# Allegro board MB1209_REVD_160617_FAB4.brd (continued)
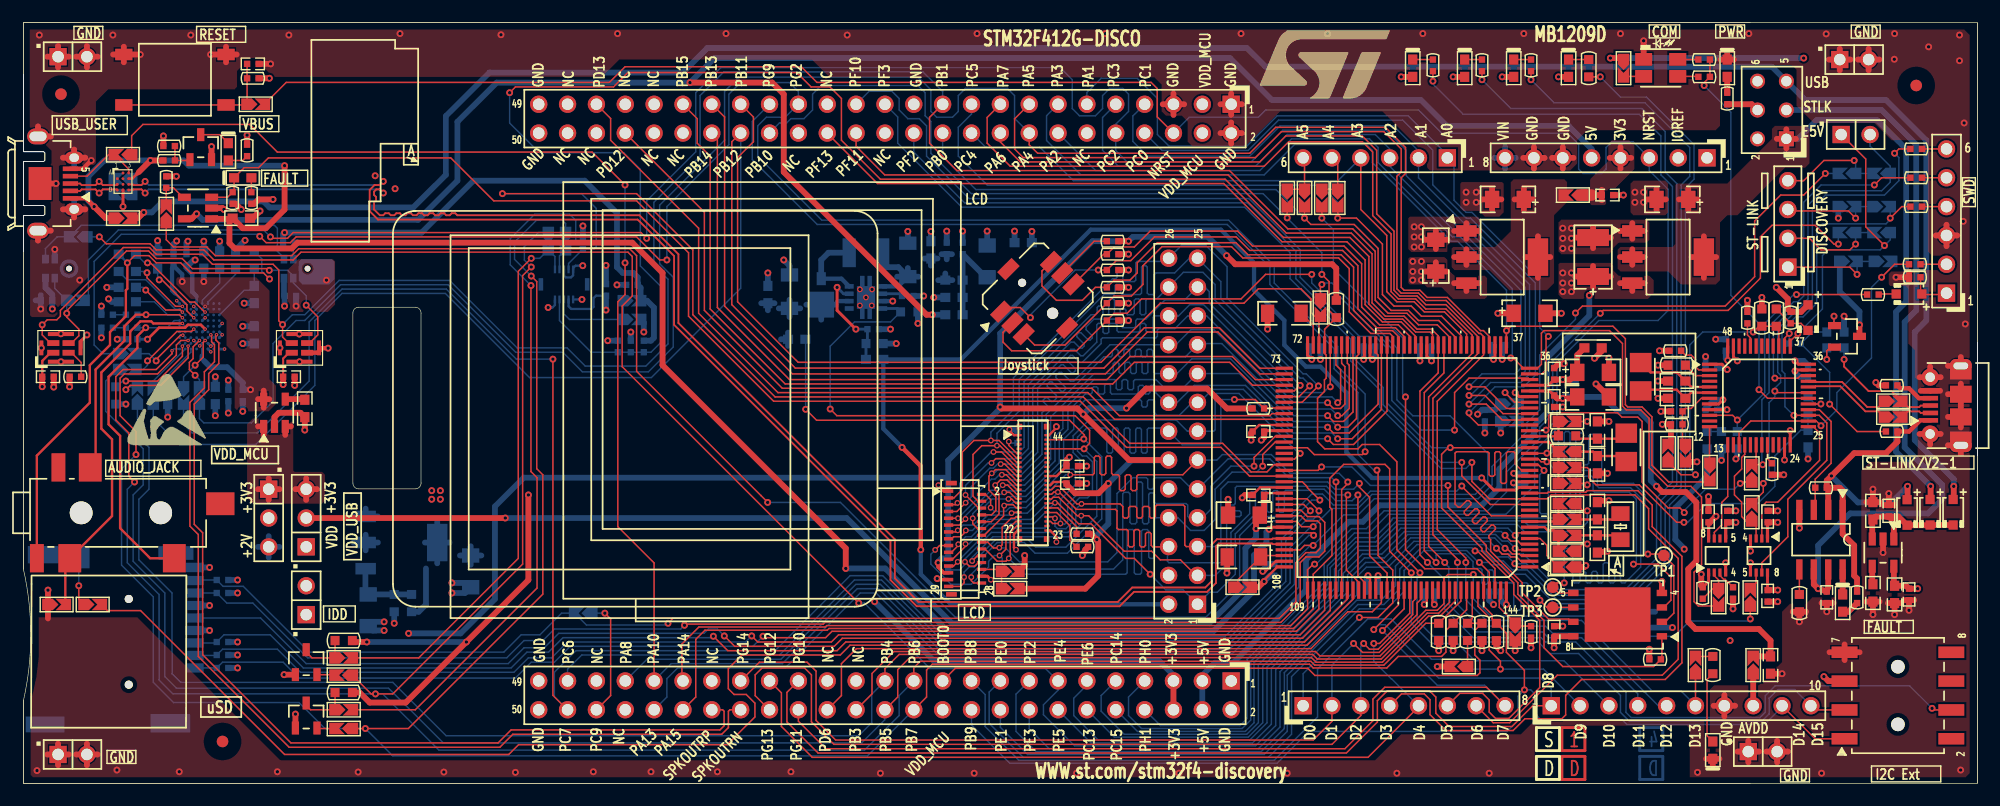
[diagram p0: board, top side]
## Routing (per net, layer and track width the routed paths; a pad name or vN(x,y) marks a point on that pad's centre or on a via; arc(x,y) is an arc through that point) (continued)
NETB1_1: length 14.4
  TOP w0.127: B1.1 B1.4 19.62,59.75 SB1.2 19.68,63.37
NETB2_5: length 5.1
  TOP w0.127: B2.5 94.26,47.75 95.38,47.75
NETC3_1: length 12.9
  TOP w0.508: 125.94,46.35 U2.2 ; U2.2 128.1,46.35 ; U2.2 127.02,45.67 ; U2.2 127.02,47.04 ; 133.33,44.53 U2.4 ; U2.4 133.33,48.18 ; U2.4 132.25,46.35 ; U2.4 134.41,46.35 ; 132.08,50.49 C3.1 ; C3.1 132.89,51.44 ; C3.1 132.08,52.38 ; C3.1 131.27,51.44
NETC8_1: length 3.2
  TOP w0.127: C8.1 113.54,40.33 U7.71
NETC19_1: length 4.8
  TOP w0.203: R45.2 136.91,30.35 C19.1 140.61,30.35 X2.1
NETC21_1: length 4.8
  TOP w0.203: R46.2 138.18,29.21 C21.1 140.61,28.83 X2.2
NETC23_1: length 4.2
  TOP w0.203: R54.1 C23.1 140.07,23.24 X3.1
NETC24_2: length 11.4
  TOP w0.508: C25.2 165.06,23.5 D4.2 165.82,22.73 167.83,22.73 D5.2 D6.2 ; C25.2 164.65,23.05 U9.1 ; C25.2 163.07,23.5 C24.2 162.75,23.18 U9.3
NETC30_1: length 4.1
  TOP w0.203: X3.2 140.2,21.84 C30.1 R56.1
NETC31_1: length 5.8
  TOP w0.127: SB27.2 106.91,17.63 106.91,17.93 C31.1 109.04,20.06 U7.106
NETC33_2: length 1.7
  TOP w0.508: C33.2 24.71,33.84 U18.4
NETC39_1: length 8.6
  TOP w0.127: v3(15.99,41.51) 15.95,41.51 15.06,42.39 14.63,42.39 11.18,45.85 v1(10.92,45.85)
  BOTTOM w0.127: C39.1 10.67,45.85 v1(10.92,45.85) ; v3(15.99,41.51) 15.74,41.26 U15.D7
NETC39_2: length 47
  TOP w0.127: v1(9.14,45.85) 9.78,46.48 11.05,46.48 11.68,45.85 13.84,45.85 14.73,44.96 21.13,44.96 v1(21.67,44.42)
  TOP w0.203: CN9.2 1.18,28.87 5.84,33.53 5.84,36.83 7.62,38.61 7.62,39.75 9.02,41.15 9.02,43.43 9.14,43.56 v1(9.14,45.85)
  BOTTOM w0.127: v1(21.67,44.42) 20.98,45.11 20.98,46.2 R78.2
  BOTTOM w0.203: v1(9.14,45.85) C39.2
NETC40_2: length 4.1
  BOTTOM w0.127: U15.C9 16.24,42.41 18.67,44.83 C40.2
NETC41_1: length 3.7
  BOTTOM w0.127: U15.D9 15.74,42.54 17.27,44.07 C41.1
NETC45_1: length 6.1
  TOP w0.127: v3(14.99,41.01) 14.39,41.62 14.39,42.15 12.19,44.35 v1(11.95,44.35)
  BOTTOM w0.127: v1(11.95,44.35) 11.81,44.49 C45.1 ; U15.E6 v3(14.99,41.01)
NETC46_1: length 6.7
  BOTTOM w0.127: U15.H8 13.36,41.76 10.77,44.36 9.11,44.36 C46.1
NETC46_2: length 6
  TOP w0.127: v3(13.99,42.01) 13.99,42.02 13.39,42.02 10.88,44.52 v1(10.88,44.98)
  BOTTOM w0.089: U15.G8 14,42.01 v3(13.99,42.01)
  BOTTOM w0.127: v1(10.88,44.98) 10.77,45.09 C46.2
NETC47_1: length 5.3
  TOP w0.127: v3(13.99,41.51) 13.81,41.69 12.52,41.69 v1(10.77,43.45)
  BOTTOM w0.089: U15.G7 14.24,41.26 14,41.51 v3(13.99,41.51)
  BOTTOM w0.127: v1(10.77,43.45) 10.52,43.69 C47.1
NETC48_2: length 5.7
  BOTTOM w0.127: U15.A7 17.26,41.26 19.43,43.43 19.93,43.43 C48.2 R78.1
NETC51_1: length 4.3
  BOTTOM w0.127: U15.H7 12.69,41.26 11.53,42.42 C51.1
NETC52_1: length 20.4
  TOP w0.127: v3(13.99,41.01) 13.73,41.27 v1(10.79,41.27)
  TOP w0.203: CN9.4 5.89,27.83 6.35,28.28 6.35,36.45 8.89,38.99 8.89,40.26 9.91,41.27 v1(10.79,41.27)
  BOTTOM w0.127: U15.G6 v3(13.99,41.01) ; 10.03,41.27 v1(10.79,41.27)
NETC52_2: length 1.1
  BOTTOM w0.127: C52.2 R79.1
NETC53_1: length 29.3
  TOP w0.203: v1(10.77,40.13) 10.03,39.4 10.03,38.35 7.49,35.81 7.49,31.62 8.51,30.61 8.51,22.47 11.15,19.83 CN9.6
  BOTTOM w0.127: 10.03,40.13 v1(10.77,40.13) 12.65,40.13 13.28,40.76 U15.H6
NETC53_2: length 1.1
  BOTTOM w0.127: C53.2 R80.1
NETC66_1: length 4.2
  BOTTOM w0.127: C66.1 12.7,35.94 14.74,37.98 U15.F1
NETC69_1: length 29.2
  TOP w0.127: v1(146.18,22.99) 145.54,22.99 142.24,26.29 138.43,26.29 137.79,26.92 137.79,27.69 137.67,27.81 SB20.1
  BOTTOM w0.127: R53.1 C69.1 156.46,31.11 154.18,28.83 154.18,26.16 152.65,24.64 148.16,24.64 146.51,22.99 v1(146.18,22.99)
NETC77_1: length 12
  BOTTOM w0.381: U17.6 71.68,42.47 71.63,42.42
  BOTTOM w0.508: 68.92,42.16 Z1.2 ; Z1.2 70.23,40.84 ; Z1.2 71.54,42.16 ; 66.69,39.12 L2.1 ; L2.1 67.31,38.53 ; L2.1 67.31,39.7 ; C77.1 67.44,42.6 ; C77.1 66.5,41.83 ; C77.1 67.44,41.07 ; C77.1 68.38,41.83 ; 64.95,42.29 C79.2 ; C79.2 66.12,42.29 ; C79.2 65.53,41.67
NETC82_1: length 8.3
  BOTTOM w0.508: L4.2 L8.2 L3.1 C83.1 84.71,44.58 C82.1
NETC84_1: length 6.2
  BOTTOM w0.508: R90.2 R92.1 C84.1 30.1,16.89 30.1,18.88 U16.1
NETC86_2: length 1.6
  TOP w0.508: C86.2 162.75,17.59 U9.4
NETCN1_5: length 4.4
  TOP w0.127: SB7.2 SB8.2 115.7,54.58 CN1.5
NETCN1_6: length 4.3
  TOP w0.127: SB5.2 SB6.2 112.78,54.97 CN1.6
NETCN3_4: length 6.8
  TOP w0.127: D1.A3 9.26,54.11 R13.1 7.49,55.37 5.6,53.48 CN3.4
NETCN4_1: length 3.8
  TOP w0.127: CN4.1 169.16,43.05 167.16,43.05 D2.1 167,43.21 167,44.58
NETCN4_2: length 2.3
  TOP w0.127: CN4.2 167,45.72
NETCN4_4: length 2.2
  TOP w0.127: R19.1 CN4.4
NETCN4_5: length 2.2
  TOP w0.127: R15.1 CN4.5
NETCN4_6: length 2.2
  TOP w0.127: R11.1 CN4.6
NETCN5_1: length 9
  TOP w0.127: CN5.1 160.78,45.47 v1(161.42,44.83)
  BOTTOM w0.127: v1(161.42,44.83) SB13.1 SB14.2
NETCN5_2: length 9.1
  TOP w0.127: CN5.2 157.23,48.01 158.24,46.99 160.78,46.99 v1(161.29,47.5)
  BOTTOM w0.127: v1(161.29,47.5) SB11.2 SB12.1
NETCN5_3: length 8.7
  TOP w0.127: CN5.3 155.45,50.42 160.66,50.42 v1(161.29,49.78)
  BOTTOM w0.127: SB10.2 161.42,50.8 ; v1(161.29,49.78) SB9.1
NETCN5_4: length 9.3
  TOP w0.127: v1(161.16,54.86) 158.5,54.86 156.72,53.09 CN5.4
  BOTTOM w0.127: SB3.1 SB2.2 161.29,54.74 v1(161.16,54.86)
NETCN6_2: length 2.8
  TOP w0.155: R40.1 165.85,32.76 166.89,32.76 167.02,32.62 CN6.2
NETCN6_3: length 10.8
  TOP w0.155: CN6.3 167.02,33.27 166.89,33.14 165.87,33.14 R39.1 164.47,34.54 162.43,34.54 160.27,36.7 v1(160.27,37.34)
  BOTTOM w0.155: v1(160.27,37.34) R85.1
NETCN6_4: length 3.4
  TOP w0.381: CN6.4 166.86,33.92 165.99,34.8 165.23,34.8 R89.1
NETCN9_3: length 32.6
  TOP w0.203: v3(13.99,40.51) 11.43,40.51 11.25,40.69 10.29,40.69 9.4,39.8 9.4,38.73 6.86,36.2 6.86,31.24 7.8,30.3 7.8,23.54 CN9.3 3.68,19.43 R63.1
  BOTTOM w0.127: U15.G5 v3(13.99,40.51)
NETCN12_8: length 2.8
  TOP w0.508: CN12.8 R74.2
NETCN13_10: length 4.4
  TOP w0.127: v1(4.87,17.4) 4.87,16.21 R64.2
  BOTTOM w0.127: CN13.10 v1(4.87,17.4)
NETCN14_8: length 8.3
  BOTTOM w0.127: CN14.8 47.59,41.34 48.07,40.86 SB45.2 SB44.2
NETCN15_24: length 3.4
  TOP w0.127: SB42.2 SB41.2 85.93,18.84 CN15.24
NETD2_2: length 1.6
  TOP w0.127: R29.1 163.37,43.1 D2.2
NETD3_2: length 3.6
  TOP w0.127: R34.1 R35.2 156.48,40.51 D3.2
NETL5_2: length 7.1
  BOTTOM w0.381: U17.8 72.68,43.77 72.01,44.45 Z1.1
  BOTTOM w0.508: Z1.1 70.23,46.1 70.87,46.74 L5.2
NETL7_2: length 9.4
  TOP w0.254: v1(71.63,43.69) 71.63,41.66 v1(73.28,40.01)
  BOTTOM w0.254: v1(73.28,40.01) R50.2 74.3,38.86 R52.2 L7.2 ; U17.7 72.19,43.12 v1(71.63,43.69)
NETLD1_2: length 1.8
  TOP w0.127: R5.2 LD1.2
NETLD2_2: length 1.5
  TOP w0.127: R4.2 LD2.2
NETLD3_2: length 1.5
  TOP w0.127: R3.2 LD3.2
NETLD4_2: length 1.8
  TOP w0.127: R2.2 LD4.2
NETLD5_2: length 1.8
  TOP w0.127: LD5.2 145.65,63.75 R1.2
NETLD5_3: length 1.8
  TOP w0.127: R7.2 147.41,62.27 LD5.3
NETLD5_4: length 1.8
  TOP w0.127: LD5.4 140.9,62.27 R6.1
NETLD6_1: length 1.4
  TOP w0.508: LD6.1 149.99,60.83
NETLD7_1: length 1.8
  TOP w0.127: LD7.1 19.3,54.86 R12.2
NETLD7_2: length 2.7
  TOP w0.127: T1.3 17.28,57.14 LD7.2
NETLD8_1: length 1.3
  TOP w0.127: R18.2 LD8.1
NETLD9_1: length 6.4
  TOP w0.127: R73.2 148.21,9.14 148.21,4.19 LD9.1
NETLD10_1: length 1.6
  TOP w0.508: LD10.1 160.66,15.11 R60.1
NETLD10_2: length 2.2
  TOP w0.508: U8.8 LD10.2
NETP2_46: length 10.4
  TOP w0.127: 50.44,6.48 51.69,7.73 51.69,14.48 v1(51.18,14.99)
  BOTTOM w0.127: SB43.2 v1(51.18,14.99)
NETR10_1: length 2.6
  TOP w0.127: T1.1 14.58,54.86 R14.2 R10.1
NETR16_2: length 3.5
  TOP w0.127: R20.1 R16.2 13.21,52.45 14.04,51.62 U1.4
NETR32_2: length 2.1
  TOP w0.127: R32.2 151.76,39.5 152.03,39.23 U6.44
NETR33_1: length 24.7
  TOP w0.127: SB18.2 145.92,27.18 v1(147.19,27.18) ; v1(152.27,39.75) 152.78,40.26 R33.1 R34.2 154.53,40.03 U6.39
  BOTTOM w0.127: v1(147.19,27.18) 146.69,27.69 146.69,38.61 147.83,39.75 v1(152.27,39.75)
NETR36_2: length 3.6
  TOP w0.127: U6.2 147.48,36.41 147.19,36.7 147.19,37.34 146.81,37.72 146.3,37.72 R36.2
NETR37_2: length 2.5
  TOP w0.127: R37.2 147.22,35.91 U6.3
NETR38_1: length 2.7
  TOP w0.127: U4.2 4.22,37.93 5.08,37.07 R38.1
NETR42_1: length 17.6
  TOP w0.127: R42.1 161.42,30.99 v1(159,33.4) ; v1(159.38,41.15) 159.38,40.36 T2.1
  BOTTOM w0.127: v1(159,33.4) 159,36.2 R83.1 157.48,39.75 R81.2 159.38,40.39 v1(159.38,41.15)
NETR47_1: length 1.8
  BOTTOM w0.254: R47.1 77.14,43.12 U17.2
NETR48_2: length 1.8
  TOP w0.127: U6.20 153.53,28.59 R48.2
NETR54_2: length 4
  TOP w0.203: U7.9 134.95,23.06 R54.2 SB23.1
NETR56_2: length 4.2
  TOP w0.203: U7.8 133.9,22.56 134.18,22.29 134.68,22.29 R56.2 SB25.1
NETR58_2: length 3.3
  TOP w0.127: U10.2 148.85,18.28 149.22,17.91 R61.2 148.72,17.14 R58.2
NETR59_2: length 1.8
  TOP w0.127: R59.2 149.8,17.97 149.67,17.97 149.35,18.29 U10.3
NETR62_1: length 2.2
  TOP w0.127: U8.5 R62.1
NETR65_1: length 4.5
  TOP w0.127: TR2.3 24.89,11.56 25.4,11.05 SB39.2 R65.1
NETR68_2: length 2.3
  TOP w0.127: R68.2 SB31.2
NETR71_2: length 5
  TOP w0.127: U7.143 130.04,16.25 129.92,16.13 129.92,15.49 131.57,13.84 R71.2
NETR73_1: length 1.3
  TOP w0.127: R73.1 147.45,11.18
NETR77_2: length 1.5
  BOTTOM w0.127: U13.2 23.75,46.19 23.75,47.5 R77.2
NETR82_1: length 7.4
  TOP w0.229: v3(15.99,40.01) 15.62,40.39 14.48,40.39 14.22,40.13 11.94,40.13 v1(10.92,39.12)
  BOTTOM w0.229: U15.D5 v3(15.99,40.01) 15.74,39.76 U15.D4
  BOTTOM w0.254: 10.03,39.12 v1(10.92,39.12)
NETR85_2: length 2.6
  TOP w0.127: T2.2 159.07,38.42 158.75,38.1 v1(158.75,37.34)
  BOTTOM w0.127: v1(158.75,37.34) R85.2
NETR86_1: length 5.7
  TOP w0.127: v1(11.68,37.21) 11.68,37.34 13.82,39.47 v3(14.03,39.47)
  BOTTOM w0.127: v3(14.03,39.47) 14.04,39.47 14.24,39.26 U15.G3 ; R86.1 11.05,37.85 v1(11.68,37.21)
NETR87_1: length 4.4
  TOP w0.127: TR1.3 24.89,6.86 25.27,6.48 SB36.2 R87.1
NETR88_1: length 7.1
  TOP w0.127: v3(14.99,40.01) 14.99,40.01 14.79,39.8 13.51,39.8 v1(10.92,37.21)
  BOTTOM w0.127: R88.1 10.54,36.45 10.92,36.83 v1(10.92,37.21) ; U15.E4 v3(14.99,40.01)
NETR93_1: length 5.2
  TOP w0.127: v1(15.11,35.94) 14.61,36.45 14.61,37.08 14.94,37.41 14.94,38.45 v3(15.49,39.01)
  BOTTOM w0.127: U15.E3 15.24,39.26 v3(15.49,39.01) ; v1(15.11,35.94) 15.49,35.56 R93.1
NETR94_2: length 5.2
  TOP w0.127: v3(15.99,39.01) 15.82,38.84 15.82,37.54 v1(15.11,36.83)
  BOTTOM w0.127: v3(15.99,39.01) 15.74,39.26 U15.D3 ; v1(15.11,36.83) 14.1,35.81 R94.2
NETR95_1: length 4.5
  BOTTOM w0.127: U15.G1 11.43,35.44 R95.1
NETR96_1: length 9.1
  TOP w0.127: v3(14.49,38.51) 14.49,37.48 12.07,35.05 9.4,35.05 v1(9.02,34.67)
  BOTTOM w0.127: R96.1 9.27,34.92 v1(9.02,34.67) ; U15.F2 v3(14.49,38.51)
NETR97_2: length 8.2
  TOP w0.127: v1(9.02,35.43) 11.81,35.43 13.99,37.62 v3(13.99,38.51)
  BOTTOM w0.127: v1(9.02,35.43) 8.76,35.43 R97.2 ; U15.G2 v3(13.99,38.51)
NETSB26_1: length 4.1
  TOP w0.127: SB26.1 134.11,20.07 134.11,20.95 133.5,21.56 U7.6
NETSB32_1: length 25.3
  BOTTOM w0.127: U13.1 22.94,46.28 22.35,46.86 22.35,48.9 22.1,49.15 5.08,49.15 SB32.1 2.96,48.13 1.94,47.11 U14.1
NETSB33_2: length 37.7
  TOP w0.127: U4.3 4.23,38.78 4.88,39.42 4.88,40.01 3.81,41.07 v1(3.81,41.4) 3.81,41.63 9.07,46.89 11.02,46.89 11.68,46.23 13.97,46.23 14.86,45.34 21.49,45.34 v1(21.64,45.19) ; U5.3 25.19,38.78 25.91,39.5 25.91,41.1 v1(24.89,42.11)
  BOTTOM w0.127: v1(24.89,42.11) 24.89,42.94 23.76,44.07 U13.4 23.76,44.68 23.25,45.19 v1(21.64,45.19) ; U14.4 2.76,43.6 SB33.2 v1(3.81,41.4)
NETSB34_1: length 5.4
  TOP w0.127: U7.30 131.28,33.56 v1(130.43,34.42)
  BOTTOM w0.127: SB35.1 SB34.1 ; v1(130.43,34.42) 131.32,33.53 131.44,33.53
NETSB37_1: length 1.6
  TOP w0.127: SB37.1 25.93,4.83 TR1.1
NETSB40_1: length 1.6
  TOP w0.127: TR2.1 27.39,9.57 SB40.1
NRST: length 195.5
  TOP w0.127: SB21.2 151.26,26.54 v1(151.13,26.42) ; v1(146.2,23.85) 146.2,23.88 145.82,24.26 144.78,24.26 142.49,26.54 142.49,31.88 142.11,32.26 140.72,32.26 140.34,32.64 134.52,32.64 134.26,32.38 134.26,31.34 v1(134.04,31.11) 133.98,31.06 U7.25 ; SB1.1 23.13,61.74 51.58,61.74 52.96,63.12 68.47,63.12 69.85,61.74 99.27,61.74 99.81,61.2 99.81,58.71 P1.6
  BOTTOM w0.127: v1(146.2,23.85) 146.2,24.03 148.08,25.91 150.62,25.91 v1(151.13,26.42) ; v1(134.04,31.11) 134.06,31.11 135,32.05 135,37.08 138.68,40.77 143.89,40.77 144.78,41.66 144.78,52.32 143.13,53.98 CN2.3 141.71,56.52 139.83,56.52 139.32,56.01 139.32,54.1 138.94,53.72 137.29,53.72 136.91,54.1 136.91,56.29 135.92,57.28 124.84,57.28 122.81,59.31 109.35,59.31 108.71,58.67 102.64,58.67 P1.6
OSC_IN: length 7
  TOP w0.203: X1.2 143.24,36.2 145.54,36.2 C14.1 146.82,34.91 U6.5
OSC_OUT: length 6.6
  TOP w0.203: X1.1 142.47,34.67 145.54,34.67 C16.1 146.81,34.41 U6.6
P68: length 2.3
  TOP w0.127: v2(86.74,30.1) 86.74,29.77 87.44,29.07 CN8.5
  BOTTOM w0.127: R84.2 86.87,29.97 v2(86.74,30.1)
PA0: length 64.2
  TOP w0.127: U7.34 132.47,35.69 127.26,35.69 125.98,34.42 v1(125.98,31.11) ; v1(113.41,44.83) 109.35,44.83 107.19,42.67 98.42,42.67 97.16,41.4 96.01,41.4 92.71,38.1 87,38.1 86.23,38.86 86.23,39.73 B2.2
  BOTTOM w0.127: v1(125.98,31.11) 123.06,31.11 120.46,33.72 120.46,38.29 115.63,43.12 114.36,43.12 113.41,44.07 v1(113.41,44.83)
PA1: length 64.7
  TOP w0.127: U7.35 133.68,36.06 134.04,36.42 134.04,39.17 v1(134.24,39.37)
  BOTTOM w0.127: v1(134.24,39.37) 133.48,40.13 133.48,44.32 127.51,50.29 127,50.29 125.93,51.36 125.93,54.51 CN1.1 125.35,55.34 121.89,58.8 110.36,58.8 107.7,56.13 100.84,56.13 99.82,57.15 99.82,60.33 98.04,62.1 94.87,62.1 93.62,60.85 P1.11
PA2: length 98.7
  TOP w0.127: R61.1 147.45,15.62 147.07,16 147.07,18.59 147.73,19.25 147.73,25.22 146.79,26.16 144.75,26.16 143.1,27.81 143.1,32.16 142.37,32.89 141.1,32.89 140.77,33.22 140.77,38.73 139.62,39.88 133.86,39.88 133.63,39.65 133.63,36.91 133.29,36.56 U7.36 132.04,36.56 131.14,37.47 v1(130.94,37.47)
  BOTTOM w0.127: P1.14 94.38,53.98 108.84,53.98 111.63,56.77 118.49,56.77 119.25,56.01 119.25,54.69 125.81,48.13 126.49,48.13 131.06,43.56 131.06,37.59 v1(130.94,37.47)
PA3: length 86.9
  TOP w0.127: U7.37 130.54,39.48 130.56,39.5 v1(130.56,39.88) 130.94,40.26 139.93,40.26 141.02,39.17 141.02,33.35 141.22,33.15 142.49,33.15 143.36,32.28 143.36,28.02 144.83,26.54 148.34,26.54 R49.1
  BOTTOM w0.127: P1.13 90.07,58.81 90.07,56.62 93.09,53.59 109.22,53.59 111.89,56.26 118.24,56.26 118.75,55.75 118.75,54.69 125.68,47.75 126.24,47.75 130.56,43.43 v1(130.56,39.88)
PA4: length 174.1
  TOP w0.127: P1.16 88.54,56.24 89.28,55.5 107.95,55.5 110.24,57.78 119.89,57.78 121.67,56.01 121.67,53.72 121.28,53.34 121.28,43.69 121.54,43.43 122.94,43.43 123.57,42.8 125.35,42.8 128.27,39.88 128.52,39.88 129.04,39.36 U7.40
  BOTTOM w0.127: P1.16 87.25,58.57 87.25,60.58 86.61,61.21 82.93,61.21 82.3,60.58 82.3,59.18 81.79,58.67 80.39,58.67 79.88,59.18 79.88,61.09 78.77,62.2 62.97,62.2 61.72,60.96 61.72,56.64 56.01,50.93 56.01,45.77 57.2,44.58 57.2,38.43 55.02,36.25 49.2,36.25 47.47,37.97 43.33,37.97 37.39,43.92 27.91,43.92 24.77,40.77 24,40.77 21.97,38.73 21.97,33.66 20.07,31.75 15.88,31.75 15.49,32.13 R93.2
PA5: length 115
  TOP w0.127: v1(126.97,19.46) 126.97,19.84 124.46,22.35 124.46,33.66 128.54,37.74 U7.41 128.54,39.35 128.27,39.62 128.14,39.62 125.24,42.53 123.46,42.53 122.81,43.18 121.28,43.18 120.9,43.56 120.9,53.47 121.28,53.85 121.28,55.88 119.76,57.4 110.74,57.4 108.46,55.12 88.01,55.12 87.25,55.88 87.25,58.53 P1.15 ; CN12.6 147.19,9.58
  BOTTOM w0.127: CN12.6 147.19,6.86 145.92,8.13 143.38,8.13 137.16,14.35 128.78,14.35 126.97,16.15 v1(126.97,19.46)
PA6: length 106.4
  TOP w0.127: P1.18 86,56.5 87.76,54.74 108.84,54.74 111.12,57.02 117.86,57.02 119.13,55.75 119.13,50.16 120.65,48.64 120.65,43.43 121.16,42.93 122.68,42.93 123.44,42.16 125.22,42.16 128.04,39.34 U7.42 128.04,37.87 124.08,33.91 124.08,21.89 126.24,19.74 v1(126.24,19.46)
  BOTTOM w0.127: v1(126.24,19.46) 126.24,15.75 128.14,13.84 133.99,13.84 134.62,13.21 137.54,13.21 143.92,6.83 CN12.5
PA7: length 108.7
  TOP w0.127: v1(125.12,19.46) 123.7,20.88 123.7,34.04 127.54,37.88 U7.43 127.54,39.46 125.22,41.78 123.44,41.78 122.56,42.67 121.03,42.67 120.4,43.31 120.4,48.39 118.78,50.01 118.78,55.61 117.87,56.52 111.38,56.52 109.22,54.36 86.87,54.36 84.84,56.39 84.84,58.65 P1.17
  BOTTOM w0.127: CN12.4 142.11,7.87 137.16,12.83 134.24,12.83 133.73,13.34 127.89,13.34 125.48,15.75 125.48,19.05 125.12,19.41 v1(125.12,19.46)
PA8: length 119.6
  TOP w0.127: v1(113.54,22.61) 112.52,22.61 112.07,23.06 U7.100 ; SB15.2 114.17,43.81 v1(114.3,43.94)
  BOTTOM w0.127: v1(114.3,43.94) 114.43,44.07 115.19,44.07 120.9,38.35 120.9,33.78 122.31,32.37 125.59,32.37 128.91,29.06 128.91,26.54 127.81,25.45 118.72,25.45 117.48,24.21 115.14,24.21 v1(113.54,22.61) 113.33,22.61 111.51,20.78 111.51,17.65 106.05,12.19 80.77,12.19 75.44,17.53 73.28,17.53 66.67,10.92 54.88,10.92 52.98,9.02
PA9: length 162.2
  TOP w0.229: 10.03,53.72 9.57,53.26 D1.B3
  TOP w0.254: U7.101 109.84,22.56 v1(109.65,22.38)
  TOP w0.381: 10.03,53.72 10.16,53.85 ; v1(6.22,50.8) 5.49,51.53 CN3.1
  TOP w0.508: v1(72.39,18.92) 72.39,20.7 56.26,36.83 56.26,44.96 53.59,47.62 24.13,47.62 23.62,47.12 18.59,47.12 18.14,47.57 18.14,49.5 18.35,49.72 ; 18.35,49.72 C5.1 19.3,48.9 21.34,48.9 22.99,50.55 v1(22.99,54.41) ; 18.35,49.72 U1.1 ; R21.2 7.24,49.78 v1(6.22,50.8) ; 12.32,54.86 v1(11.18,54.86) 10.16,53.85
  BOTTOM w0.508: v1(22.99,54.41) 14.55,54.41 14.1,54.86 v1(11.18,54.86) 7.11,54.86 5.72,53.47 5.72,51.31 v1(6.22,50.8) ; v1(72.39,18.92) 75.87,18.92 81.36,13.44 104.8,13.44 108.33,16.97 108.33,20.09 109.42,21.18 109.42,22.15 v1(109.65,22.38)
PA10: length 165.3
  TOP w0.127: R13.2 9.53,57.05 10.52,58.04 19.91,58.04 22.35,55.6 50.06,55.6 v1(52.96,52.7) ; 55.52,9.02 55.52,19.41 52.32,22.61 52.32,42.42 52.96,43.05 v1(52.96,45.85) ; U7.102 113.35,22.06 v1(113.57,21.84)
  BOTTOM w0.127: v1(113.57,21.84) 113.16,21.84 111.89,20.57 111.89,17.53 106.17,11.81 80.59,11.81 75.26,17.14 73.41,17.14 66.8,10.54 57.02,10.54 55.52,9.04 55.52,9.02 ; v1(52.96,45.85) v1(52.96,52.7)
PA11: length 132.3
  TOP w0.155: v1(31.68,52) 31.36,52.32 31.06,52.32 30.86,52.12 30.86,51.83 31.04,51.66 31.04,51.35 30.86,51.17 30.86,50.55 31.37,50.04 31.67,50.04 31.85,50.22 32.16,50.22 32.34,50.04 32.65,50.04 32.83,50.22 33.14,50.22 33.31,50.04 33.62,50.04 33.8,50.22 34.11,50.22 34.29,50.04 34.6,50.04 34.78,50.22 35.09,50.22 35.26,50.04 35.57,50.04 35.75,50.22 36.06,50.22 36.24,50.04 36.55,50.04 36.73,50.22 37.04,50.22 37.21,50.04 37.52,50.04 37.7,50.22 38.01,50.22 38.19,50.04 54.23,50.04 57.66,46.61 57.66,40.54 76.71,21.49 76.71,18.06 78.8,15.98 96.34,15.98 97.61,17.25 104.04,17.25 104.6,17.81 104.6,21.03 105.07,21.5 109.92,21.5 109.98,21.56 U7.103 ; v1(10.71,52) 10.39,52.32 9.67,52.32 9.62,52.26 D1.D3
  BOTTOM w0.155: R76.2 9.98,52.32 10.39,52.32 v1(10.71,52) 11.03,52.32 31.36,52.32 v1(31.68,52)
PA12: length 132.5
  TOP w0.155: U7.104 109.98,21.06 109.92,21.12 105.23,21.12 104.98,20.87 104.98,17.65 104.2,16.87 97.76,16.87 96.49,15.6 78.64,15.6 76.33,17.91 76.33,21.34 57.28,40.39 57.28,46.45 54.07,49.66 31.22,49.66 30.48,50.39 30.48,52.27 30.91,52.7 31.36,52.7 v1(31.68,53.02) ; D1.C3 9.61,52.76 9.67,52.7 10.39,52.7 v1(10.71,53.02)
  BOTTOM w0.155: R75.2 10.09,52.7 10.39,52.7 v1(10.71,53.02) 11.03,52.7 31.36,52.7 v1(31.68,53.02)
PA13: length 140.9
  TOP w0.127: v1(113.54,20.95) 112.78,20.95 112.38,20.56 U7.105 ; v1(158.62,53.72) 156.72,51.82 154.69,51.82 152.4,49.53 152.4,44.63 149.81,42.04 137.24,42.04 v1(136.63,41.43)
  BOTTOM w0.127: SB2.1 v1(158.62,53.72) ; 55.52,6.48 56.64,7.6 56.64,9.22 57.58,10.16 67.06,10.16 73.66,16.76 75.06,16.76 80.39,11.43 106.43,11.43 112.27,17.27 112.27,19.94 113.28,20.95 v1(113.54,20.95) 116.23,23.65 117.5,23.65 118.92,25.07 128.07,25.07 129.29,26.29 129.29,27.91 132.36,30.99 132.36,31.78 133.48,32.89 133.48,37.72 136.63,40.87 v1(136.63,41.43)
PA14: length 130.6
  TOP w0.127: v1(113.67,19.3) 113.54,19.3 113.04,18.81 U7.109 113.04,15.38 111.56,13.89 70.71,13.89 70.59,13.77 59.46,13.77 57.96,12.27 57.96,9.11 58.06,9.02 ; v1(159.77,47.5) 159.38,47.5 157.73,49.15 153.92,49.15 152.91,48.13 152.91,44.5 150.06,41.66 139.06,41.66 v1(138.81,41.4)
  BOTTOM w0.127: v1(138.81,41.4) 134.62,37.21 134.62,32.51 133.48,31.37 133.48,30.35 130.56,27.43 130.56,25.65 128.91,24 119.79,24 118.21,22.43 116.92,22.43 113.79,19.3 v1(113.67,19.3) ; SB11.1 v1(159.77,47.5)
PA15: length 115.1
  TOP w0.127: 58.06,6.48 59.18,7.6 59.18,12.67 59.99,13.49 70.76,13.49 70.92,13.64 111.81,13.64 113.54,15.37 113.54,16.38 113.54,16.39 U7.110 113.54,18.42 115.19,20.07 115.19,24.13 115,24.32 115,26.86 116.23,28.09 119.86,28.09 120.27,27.69 120.27,20.45 v1(122.17,18.54)
  BOTTOM w0.127: CN12.3 135.61,10.79 127.76,10.79 126.24,12.32 123.95,12.32 122.17,14.1 v1(122.17,18.54)
PB0: length 58
  TOP w0.127: SB6.1 v1(112.78,49.78) 113.33,49.23 117.14,49.23 119.25,47.12 119.25,42.8 120.4,41.66 121.92,41.66 122.81,40.77 124.59,40.77 126.04,39.31 U7.46
  BOTTOM w0.127: v1(112.78,49.78) 110.26,52.3 83.85,52.3 80.92,55.23 P1.22
PB1: length 181.6
  TOP w0.127: P1.21 79.77,58.66 79.77,56.38 82.17,53.98 106.17,53.98 111.3,48.84 117.02,48.84 119,46.86 119,42.55 120.14,41.4 121.79,41.4 122.81,40.39 124.46,40.39 125.54,39.3 U7.47 ; U4.4 2.37,38.78 1.65,39.5 v1(1.65,40.39) 2.1,40.83 2.93,40.83 3.25,41.15 3.25,41.66 8.79,47.19 11.1,47.19 11.68,46.61 15.75,46.61 16.64,45.72 21.97,45.72 22.48,45.21 22.48,40.74 v1(22.81,40.41) 22.81,39.32 23.35,38.78 U5.4
  BOTTOM w0.127: P1.21 80.92,60.94 79.2,62.66 61.65,62.66 59.56,60.58 59.56,55.24 55.5,51.18 55.5,45.64 56.74,44.4 56.74,38.71 54.79,36.75 49.45,36.75 47.85,38.35 43.46,38.35 37.52,44.3 27.79,44.3 24.77,41.27 23.67,41.27 v1(22.81,40.41)
PB2: length 53.8
  TOP w0.127: U12.6 TP3.1 134.11,15.49 133.5,16.1 v1(133.5,16.13) ; U7.48 125.04,36.14 123.32,34.42 123.32,20.5 v1(124.36,19.46)
  BOTTOM w0.127: R100.2 R104.2 138.05,15.11 137.79,15.37 134.26,15.37 v1(133.5,16.13) 133.5,15.24 133.38,15.11 132.59,15.11 132.46,15.24 132.46,17.53 132.33,17.65 131.95,17.65 131.83,17.53 131.83,15.37 131.7,15.24 131.32,15.24 131.19,15.37 131.19,17.53 131.06,17.65 129.54,17.65 129.41,17.78 129.41,18.67 129.29,18.8 129.03,18.8 128.91,18.67 128.91,17.65 128.78,17.53 128.52,17.53 128.4,17.65 128.4,18.8 128.27,18.92 127.74,18.92 127.61,19.05 127.61,19.53 126.92,20.22 124.49,20.22 124.36,20.09 v1(124.36,19.46)
PB3: length 91.6
  TOP w0.127: SB28.2 v1(152.02,14.48) ; 73.3,6.48 74.7,7.88 74.7,9.68 76.63,11.61 113.74,11.61 114.12,11.23 119.43,11.23 123.44,15.24 124.46,15.24 125.04,15.82 U7.133 125.04,18.03 125.4,18.39 v1(127.64,18.39)
  BOTTOM w0.127: v1(127.64,18.39) 127.64,16.26 129.16,14.73 137.41,14.73 139.19,12.95 145.34,12.95 146.69,14.3 151.84,14.3 v1(152.02,14.48)
PB4: length 148.9
  TOP w0.127: U7.134 125.54,15.94 124.59,14.99 123.57,14.99 119.53,10.95 113.89,10.95 113.49,11.35 77.09,11.35 75.84,10.1 75.84,9.02
  BOTTOM w0.127: 75.84,9.02 74.68,7.85 74.68,5.33 73.53,4.19 37.21,4.19 32.51,8.89 13.84,8.89 13.08,9.65 13.08,16.76 10.16,19.68 10.16,25.02 11.05,25.91 11.05,29.59 10.03,30.61 R96.2
PB5: length 154.9
  TOP w0.127: 75.84,6.48 76.96,7.6 76.96,10.01 78.03,11.07 113.39,11.07 113.79,10.67 119.63,10.67 123.7,14.73 124.71,14.73 126.04,16.06 U7.135
  BOTTOM w0.127: 75.84,6.48 75.82,6.46 75.82,5.59 73.79,3.56 36.96,3.56 32.13,8.38 13.46,8.38 12.45,9.4 12.45,16.76 9.65,19.56 9.65,25.4 10.54,26.29 10.54,29.46 7.24,32.77 7.24,35.43 8.38,36.58
PB8: length 76.7
  TOP w0.127: U7.139 128.04,15.59 129.03,14.61 129.03,11.73 130.02,10.74 v1(130.02,10.06)
  BOTTOM w0.127: 83.46,9.02 84.66,7.82 84.66,5 87.63,2.03 110.11,2.03 113.92,5.84 113.92,10.06 118.34,14.48 120.4,14.48 123.95,10.92 126.49,10.92 127.36,10.06 v1(130.02,10.06) 133.81,10.06 CN12.2
PB9: length 140.4
  TOP w0.127: CN12.9 157.72,3.92 CN10.1 ; v1(114.3,49.78) SB7.1 ; v1(121.67,34.04) 121.67,20.6 123.37,18.9 127.97,18.9 128.54,18.32 U7.140 128.54,15.6 129.29,14.86 129.29,14.48 130.54,13.22 130.54,11.54 132.13,9.96 v1(132.13,8.23)
  BOTTOM w0.127: v1(121.67,34.04) 121.41,34.29 121.41,39.24 115.32,45.34 115.32,48.77 v1(114.3,49.78) ; CN12.9 154.81,6.73 153.26,5.18 141.15,5.18 140.74,5.59 133.6,5.59 133.1,6.1 133.1,7.82 132.69,8.23 v1(132.13,8.23) 131.57,7.67 131.57,5.54 130.61,4.57 113.16,4.57 110.36,1.78 86.82,1.78 83.46,5.14 83.46,6.48
PB10: length 146.9
  TOP w0.127: v1(122.94,18.54) 120.9,20.57 120.9,28.32 119.38,29.84 117.86,29.84 117.47,29.46 114.55,29.46 113.92,30.1 113.92,33.91 114.53,34.52 114.53,35.53 114.68,35.69 114.68,37.72 114.54,37.86 U7.69 114.54,39.99 R31.2 114.94,41.66 114.94,44.2 v1(114.3,44.83) ; CN10.3 157.72,6.46 CN12.10 ; SB5.1 v1(111.25,49.81)
  BOTTOM w0.127: 65.68,57.28 65.68,57.3 66.55,58.17 67.18,58.17 67.56,58.55 68.71,58.55 69.47,59.31 69.47,60.71 70.23,61.47 78.74,61.47 79.38,60.83 79.38,58.8 79.88,58.29 79.88,55.5 83.44,51.94 109.12,51.94 v1(111.25,49.81) 111.25,49.78 114.3,46.74 v1(114.3,44.83) ; v1(122.94,18.54) 122.68,18.29 122.68,14.35 124.08,12.95 126.62,12.95 127.13,12.45 133.35,12.45 134.37,11.43 136.91,11.43 140.59,7.75 140.59,6.25 141.38,5.46 153.03,5.46 153.67,6.1 153.67,7.49 154.43,8.26 155.93,8.26 CN12.10
PB12: length 152.1
  TOP w0.127: 63.14,57.28 63.12,57.28 62.36,56.52 62.36,42.16 67.94,36.58 95.12,36.58 98.68,40.13 105.28,40.13 108.85,36.56 U7.73
  BOTTOM w0.127: R95.2 11.43,32.13 13.72,29.85 20.45,29.85 25.65,35.05 25.65,40.77 28.04,43.15 37.13,43.15 44.55,35.74 55.27,35.74 63.14,43.61 63.14,57.28
